# Altium PCB WX0.010.826PCB-4.2.PcbDoc (part 1 of 2) (continued)
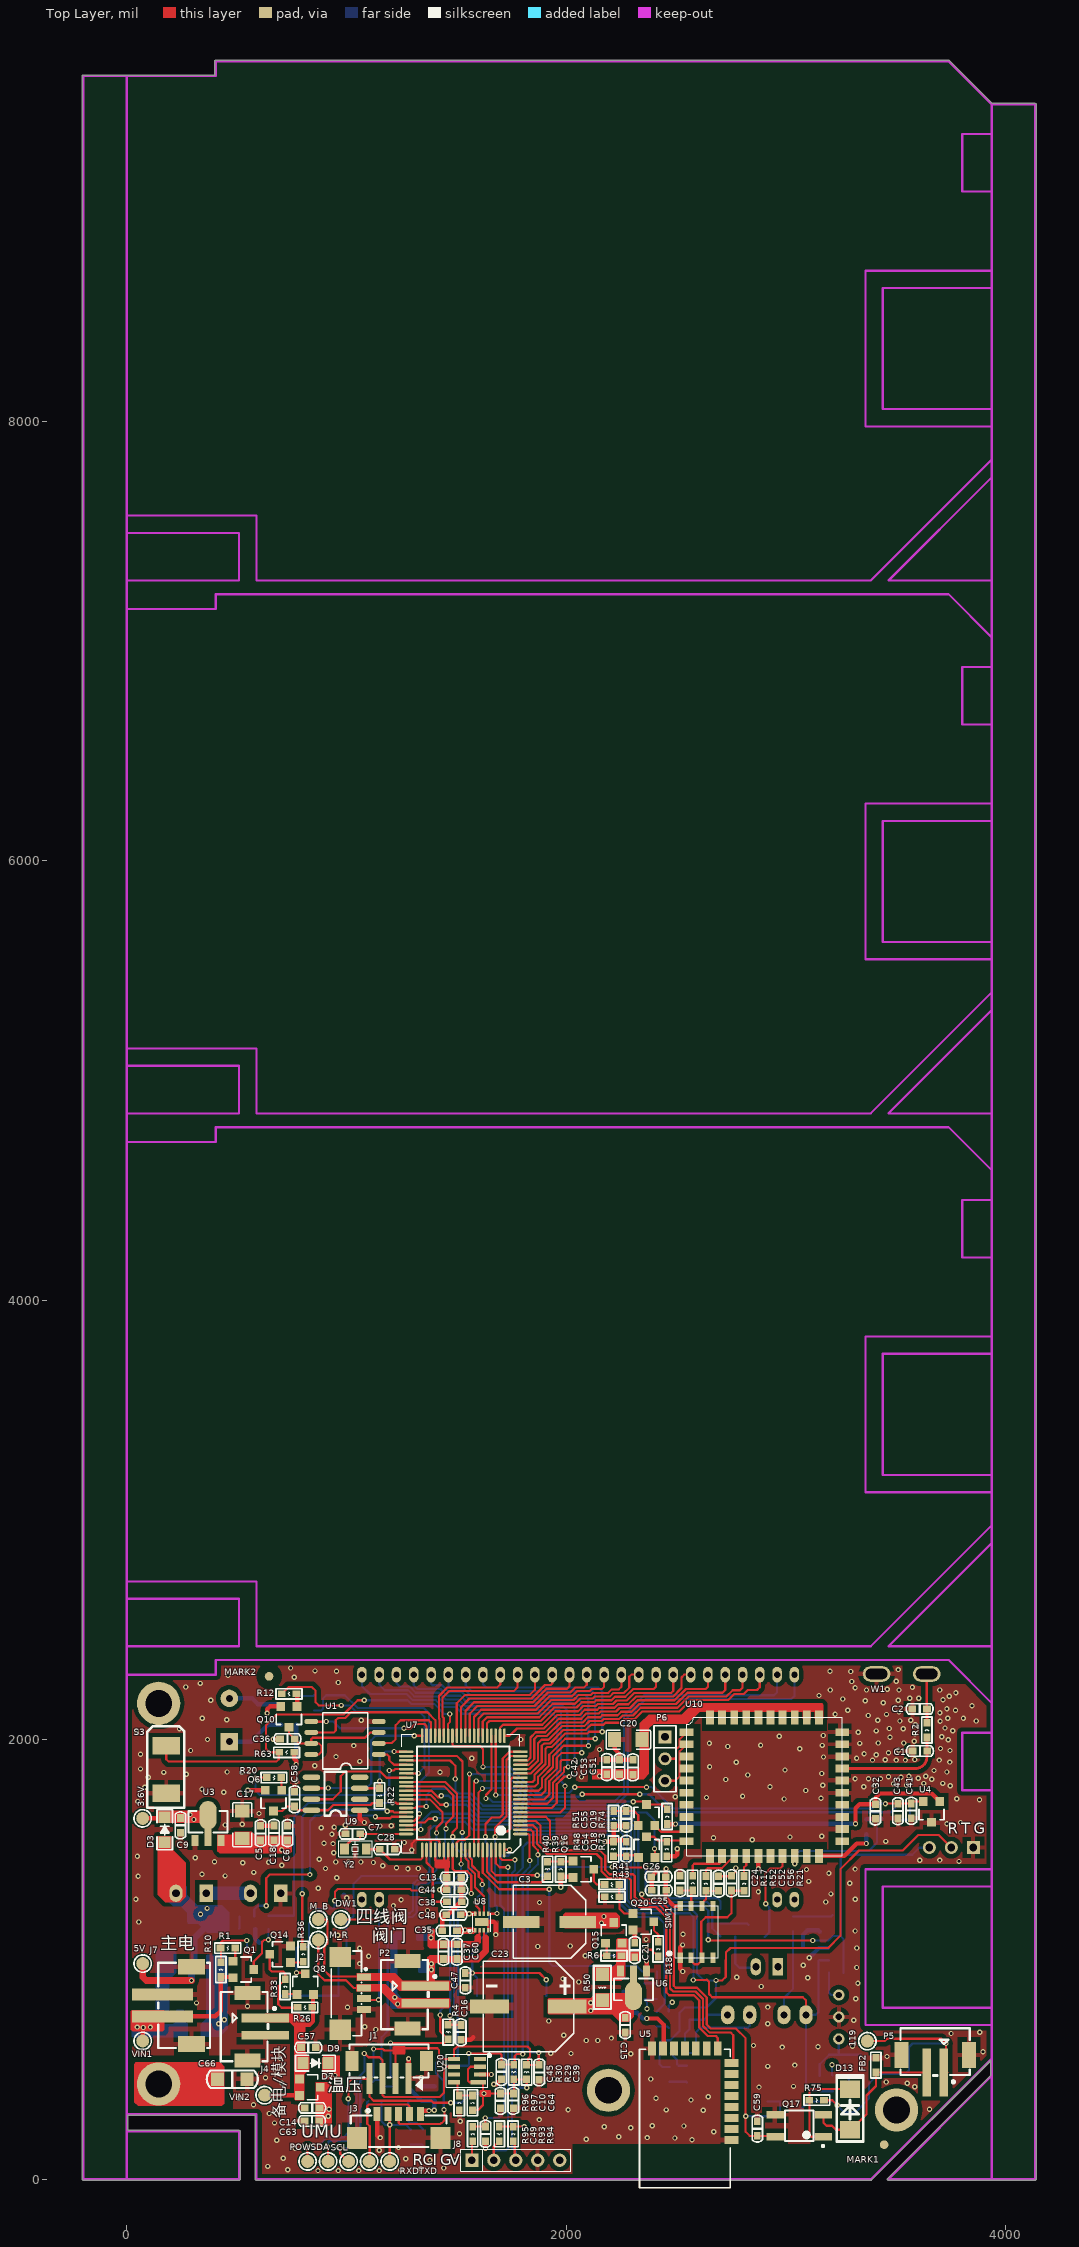
[diagram p0: Top Layer view]
## Components (designator, comment, footprint, x,y, rotation, side; value= is the part's Value field where it differs from the comment) (continued)
SDA "TEST-PAD" TEST-PAD 916.78,80.63 r180 top
SIM1 "SIM  IC" SIMIC 2692.43,1243.22 r180 top
TVS1 "SMBJ6.0CA" DO-214AA 1300.98,1134.02 r270 bottom
TVS2 "SMAJ5.0CA" SMAJ5.0CA 3238.74,306 r180 bottom
TXD "TEST-PAD" TEST-PAD 1197,80.63 r0 top
U1 "P25Q80H-SUH-IR" SOP-8L-200MIL 1147.09,1933 r180 top
U2 "CE6232A50P" SOT-89 233,1152.74 r0 bottom
U3 "CE6232A33P" SOT-89 370,1577.26 r0 top
U4 "S-5712ACDL1" SOT-23 3663,1671 r180 top
U5 "DB809" DB809 2753,528 r180 top
U6 "CE6232A33P" SOT-89 2307,912.74 r180 top
U7 "FM33LG0x8" LQFP80 1531.9,1757.84 r180 top locked
U8 "DRV8837DSGR" S-PWSON-N8 1616,1170 r90 top
U9 "ESAM" SOP-8 1061,1679 r180 top
U10 "UMN601-M1 TNADH" N700-FIXTURE_DL_CFT_CQA 2548.24,2101.18 r270 top locked
U11 "IRM-3638J7" IRM-3638J7 3241,738 r180 bottom locked
U20 "HP303B" LGA_8 1641.14,420.72 r180 top
VIN1 "TEST-PAD" TEST-PAD 73,629 r270 top
VIN2 "TEST-PAD" TEST-PAD 628,382 r270 top
W1 "天线" ANT-tanpian 3641,2299 r180 top
Y2 "SF32WK32768D71T005" SMD-3215_2P 1090,1503 r180 top

## Footprints (in the part's own frame and the unit in brackets; to place one, negate y for a bottom-side part, rotate by r counter-clockwise, add the part's x,y. Pads: shape width x height; smd on the part's side, far side on the other; paste and mask are expansions set on the pad)
2*2.5立贴 [mm]
  rect 1.4x7 smd paste+0 mask+0.051: 1(-1.27,1.675) 2(1.27,1.675)
  rect 1.8x3.1 smd paste+0 mask+0.051: 3(4.47,-1.675) 4(-4.47,-1.675)
  silkscreen extent -4.92,-3.83 4.92,2.17
220uf [mm]
  rect 4.2x1.4 smd: 1(-3.267,0) 2(3.267,0)
  silkscreen extent -4.2,-4.23 4.2,4.23
ANT-tanpian [mm]
  oval 3.2x1.8 hole 1.2 slot 2.5 at 0 deg: 1(0,0) 2(5.8,0)
"Bar Code1" [mil]
  silkscreen extent 0,0 965,256
CAP0603 [mil]
  rect 35x31 smd: 1(-0.49,0) 2(66.51,0)
  silkscreen extent -29,-24 94,23, body extent 1,-15 72,15, height 20
CAP1206 [mil]
  rect 60x60 smd: 1(0,0) 2(134.8,0)
  silkscreen extent -48,-40 184,40, body extent -15,-29 163,29, height 20
CAPPC_350_800_1200 [mil]
  oval 60x78.74 hole 35.43: 1(-3.78,-395)
  rect 60x78.74 hole 35.43: 2(-141.57,-395)
  silkscreen extent -240,-360 95,152
CAPSM_450_1000_1050 [mm] "10*10.5mm"
  rect 1.65x4.5 smd: 1(0,4.5) 2(0,-4.5)
  silkscreen extent -5.23,-5.23 5.23,5.23
CONN-SMD_2.0-2PLT [mm]
  rect 1x5.5 smd: 1(1,-1.025) 2(-1,-1.025)
  rect 1.6x3 smd: 3(3.9,1.025) 4(-3.9,1.025)
  silkscreen extent -4,-2.25 4,4.1
CONN-SMD_4P-P1.5_HCTL_HC-ZH-4PLT [mm]
  rect 0.7x3.6 smd paste+0 mask+0.05: 1(-2.25,1.025) 2(-0.75,1.025) 3(0.75,1.025) 4(2.25,1.025)
  rect 1.5x2.3 smd paste+0 mask+0.05: 5(4.3,-1.025) 6(-4.3,-1.025)
  silkscreen extent -4.57,-2.92 4.57,2.4
CONN-SMD_4P-P1.25_HCTL_HC-1.25-4PLT [mm]
  rect 0.8x1.62 smd paste+0 mask+0.05: 1(-1.875,1.38) 2(-0.625,1.38) 3(0.625,1.38) 4(1.875,1.38)
  rect 2.35x2.5 smd paste+0 mask+0.05: 5(-4.2,-1.38) 6(4.2,-1.38)
  silkscreen extent -4.9,-2.4 4.9,1.73
CONN-SMD_5P-P1.25_HCTL_HC-1.25-5PLT [mm]
  rect 0.8x1.62 smd paste+0 mask+0.05: 1(-2.5,1.38) 2(-1.25,1.38) 3(0,1.38) 4(1.25,1.38) 5(2.5,1.38)
  rect 2.35x2.5 smd paste+0 mask+0.05: 6(4.825,-1.38) 7(-4.825,-1.38)
  silkscreen extent -5.53,-2.42 5.53,1.96
DB809 [mm]
  rect 1.6x0.9 smd: 1(0,8.89) 2(0,7.62) 3(0,6.35) 4(0,5.08) 5(0,3.81) 6(0,2.54) 7(0,1.27) 8(0,0)
  rect 0.9x1.6 smd: 9(1.59,-1.7) 10(2.86,-1.7) 11(4.13,-1.7) 12(5.4,-1.7) 13(6.67,-1.7) 14(7.94,-1.7) 15(9.21,-1.7)
  silkscreen extent 0.15,-1.6 10.65,14.4
DO-214AA [mil]
  rect 80x125 smd: 1(5,0) 2(180,0)
  silkscreen extent -45,-80 230,80, body extent -13,-77 203,77, height 96
DO-214AC [mil]
  rect 80x90.55 smd: 1(-92.5,0) 2(92.5,0)
  silkscreen extent -146,-60 156,60, body extent -91,-53 90,53, height 94
EL357D [mil]
  rect 80x35 smd: 1(-110,50) 2(-110,-50) 3(110,-50) 4(110,50)
  silkscreen extent -113,-70 65,97, body extent -70,-75 70,75, height 79
GRM31CR60J107ME39L [mm]
  rect 1.485x1.728 smd: 1(0,0) 2(3.185,0)
  silkscreen extent -0.97,-1.09 4.16,1.09
HYT-0903 [mil]
  rect 80x80 hole 32: 1(-98.43,0)
  round 80 hole 32: 2(98.43,0)
  silkscreen extent -177,-177 177,177, body extent -176,-176 178,178, height 217
IND0603 [mil]
  rect 35x31 smd: 1(0,0) 2(67,0)
  silkscreen extent -26,-24 92,23, body extent 0,-15 71,15, height 12
IR_254_1000_500 [mil]
  oval 60x86.61 hole 32: 1(50,0) 2(-50,0)
  silkscreen extent -103,-118 118,118
IRM-3638J7 [mm]
  round 1.3 hole 0.75: 1(0,2.54) 2(0,0) 3(0,-2.54)
  silkscreen extent -1.35,-3.43 8.31,3.43
JR-H26263ARP [mm]
  oval 1.1x1.8 hole 0.732: 1(25,13) 1(25,13) 2(23,13) 3(21,13) 4(19,13) 5(17,13) 6(15,13) 7(13,13) 8(11,13) 9(9,13) 10(7,13) 11(5,13) 12(3,13) 13(1,13) 14(-1,13) 15(-3,13) 16(-5,13) 17(-7,13) 18(-9,13) 19(-11,13) 20(-13,13) 21(-15,13) 22(-17,13) 23(-19,13) 24(-21,13) 25(-23,13) 26(-25,13) 27(-25,-13) 28(-23,-13) 29(23,-13) 30(25,-13)
  silkscreen extent -30.5,-13 31.5,13, body extent -30.49,-13 30.47,12.87, height 2.5
LED2_300 [mm]
  rect 2x1.2 hole 0.813: 1(0,1.27)
  oval 2x1.2 hole 0.813: 2(0,-1.27)
  silkscreen extent -2.16,-1.26 2.16,2.18, body extent -1.65,-1.64 1.65,1.66, height 5.51
LGA_8 [mm]
  rect 1.8x0.5 smd: 1(1.039,-0.504)
  rect 1.4x0.5 smd: 2(0.839,-1.404) 3(0.839,-2.304) 4(0.839,-3.204) 5(3.839,-3.204) 6(3.839,-2.304) 7(3.839,-1.404) 8(3.839,-0.504)
  silkscreen extent -0.4,-3.78 4.72,0.05
LQFP80 [mm]
  oval 1.7x0.3 smd: 1(-6.6,4.75) 2(-6.6,4.25) 3(-6.6,3.75) 4(-6.6,3.25) 5(-6.6,2.75) 6(-6.6,2.25) 7(-6.6,1.75) 8(-6.6,1.25) 9(-6.6,0.75) 10(-6.6,0.25) 11(-6.6,-0.25) 12(-6.6,-0.75) 13(-6.6,-1.25) 14(-6.6,-1.75) 15(-6.6,-2.25) 16(-6.6,-2.75) 17(-6.6,-3.25) 18(-6.6,-3.75) 19(-6.6,-4.25) 20(-6.6,-4.75) 41(6.6,-4.75) 42(6.6,-4.25) 43(6.6,-3.75) 44(6.6,-3.25) 45(6.6,-2.75) 46(6.6,-2.25) 47(6.6,-1.75) 48(6.6,-1.25) 49(6.6,-0.75) 50(6.6,-0.25) 51(6.6,0.25) 52(6.6,0.75) 53(6.6,1.25) 54(6.6,1.75) 55(6.6,2.25) 56(6.6,2.75) 57(6.6,3.25) 58(6.6,3.75) 59(6.6,4.25) 60(6.6,4.75)
  oval 0.3x1.7 smd: 21(-4.75,-6.6) 22(-4.25,-6.6) 23(-3.75,-6.6) 24(-3.25,-6.6) 25(-2.75,-6.6) 26(-2.25,-6.6) 27(-1.75,-6.6) 28(-1.25,-6.6) 29(-0.75,-6.6) 30(-0.25,-6.6) 31(0.25,-6.6) 32(0.75,-6.6) 33(1.25,-6.6) 34(1.75,-6.6) 35(2.25,-6.6) 36(2.75,-6.6) 37(3.25,-6.6) 38(3.75,-6.6) 39(4.25,-6.6) 40(4.75,-6.6) 61(4.75,6.6) 62(4.25,6.6) 63(3.75,6.6) 64(3.25,6.6) 65(2.75,6.6) 66(2.25,6.6) 67(1.75,6.6) 68(1.25,6.6) 69(0.75,6.6) 70(0.25,6.6) 71(-0.25,6.6) 72(-0.75,6.6) 73(-1.25,6.6) 74(-1.75,6.6) 75(-2.25,6.6) 76(-2.75,6.6) 77(-3.25,6.6) 78(-3.75,6.6) 79(-4.25,6.6) 80(-4.75,6.6)
  silkscreen extent -6.62,-6.81 7.1,6.91, body extent -5.33,-5.33 5.36,5.33, height 2
MARK [mm]
  round 1 smd: 0(0,0)
  round 1 smd far side: 1(0,0)
  Top Layer pour cut-out: -1.5,0 -1.386,-0.574 -1.061,-1.061 -0.574,-1.386 0,-1.5 0,-1.5 0.574,-1.386 1.061,-1.061 1.386,-0.574 1.5,0 1.5,0 1.386,0.574 1.061,1.061 0.574,1.386 0,1.5 0,1.5 -0.574,1.386 -1.061,1.061 -1.386,0.574 -1.5,0
  Bottom Layer pour cut-out: -1.5,0 -1.386,-0.574 -1.061,-1.061 -0.574,-1.386 0,-1.5 0,-1.5 0.574,-1.386 1.061,-1.061 1.386,-0.574 1.5,0 1.5,0 1.386,0.574 1.061,1.061 0.574,1.386 0,1.5 0,1.5 -0.574,1.386 -1.061,1.061 -1.386,0.574 -1.5,0
N700-FIXTURE_DL_CFT_CQA [mm]
  rect 0.9x1.6 smd mask+0.05: 1(1.7,0) 2(3.1,0) 3(4.5,0) 4(5.9,0) 5(7.3,0) 6(8.7,0) 7(10.1,0) 8(11.5,0) 9(12.9,0) 10(14.3,0) 21(14.3,18) 22(12.9,18) 23(11.5,18) 24(10.1,18) 25(8.7,18) 26(7.3,18) 27(5.9,18) 28(4.5,18) 29(3.1,18) 30(1.7,18)
  rect 1.6x0.9 smd mask+0.05: 11(16,2.7) 12(16,4.1) 13(16,5.5) 14(16,6.9) 15(16,8.3) 16(16,9.7) 17(16,11.1) 18(16,12.5) 19(16,13.9) 20(16,15.3) 31(0,15.3) 32(0,13.9) 33(0,12.5) 34(0,11.1) 35(0,9.7) 36(0,8.3) 37(0,6.9) 38(0,5.5) 39(0,4.1) 40(0,2.7)
  silkscreen extent 0,0 16,18
PIN254_1*3*WXHJ [mm]
  rect 1.5x1.5 hole 0.9: 1(0,0)
  round 1.5 hole 0.9: 2(2.54,0) 3(5.08,0)
  silkscreen extent -1.27,-1.27 6.35,1.27
PIN254_1*5SR [mil]
  rect 60x60 hole 35: 1(0,0)
  round 60 hole 35: 2(100,0) 3(200,0) 4(300,0) 5(400,0)
  silkscreen extent -50,-50 450,50
RES0603 [mil]
  rect 35x31 smd: 1(0,0) 2(67,0)
  silkscreen extent -26,-24 92,23, body extent 0,-15 71,15, height 12
RES1206 [mil]
  rect 60x60 smd: 1(0,0) 2(118.11,0)
  silkscreen extent -39,-39 157,39, body extent -28,-29 150,29, height 20
S-PWSON-N8 [mm]
  rect 0.5x0.28 smd: 1(-0.95,0.75) 2(-0.95,0.25) 3(-0.95,-0.25) 4(-0.95,-0.75) 5(0.95,-0.75) 6(0.95,-0.25) 7(0.95,0.25) 8(0.95,0.75)
  rect 0.9x1.6 smd: 9(0,0)
  silkscreen extent -1.09,-1.05 1.04,1.52, body extent -0.98,-1 1.02,1, height 0.77
SIMIC [mm]
  rect 0.6x1.2 smd: 1(4.405,6) 2(3.135,6) 3(1.865,6) 4(0.595,6) 5(0.595,0) 6(1.865,0) 7(3.135,0) 8(4.405,0)
  silkscreen extent 0,0 5.73,6, body extent 0,0 4.95,5.97, height 0.6
SMAJ5.0CA [mm]
  rect 2x1.8 smd: 1(-2,0) 2(2,0)
  silkscreen extent -2.3,-1.4 2.3,1.4
SMD-3215_2P [mm]
  rect 1x1.3 smd: 1(0,0) 2(2.5,0)
  silkscreen extent -0.69,-0.91 3.19,0.91, body extent -0.3,-0.99 2.9,0.99, height 0.7
SOD-123FL [mm]
  rect 1.3x1.4 smd: 1(0.074,0) 2(2.974,0)
  silkscreen extent -0.78,-0.9 3.82,0.9, body extent -0.28,-0.82 3.32,0.83, height 0.95
SOP-8 [mil]
  oval 80x24 smd: 1(0,0) 2(0,-50) 3(0,-100) 4(0,-150) 5(220,-150) 6(220,-100) 7(220,-50) 8(220,0)
  silkscreen extent 60,-175 160,25, body extent -7,-171 229,21, height 67
SOP-8L-200MIL [mm]
  oval 1.6x0.61 smd: 1(0,0) 2(0,-1.27) 3(0,-2.54) 4(0,-3.81) 5(7.8,-3.81) 6(7.8,-2.54) 7(7.8,-1.27) 8(7.8,0)
  silkscreen extent 1.27,-4.83 6.48,1.68, body extent 0.89,-4.35 6.89,0.55, height 1.7
SOT-23 [mil]
  rect 40x40 smd: 1(-37.4,-47.24) 2(37.4,-47.24) 3(0,47.24)
  silkscreen extent -57,-12 57,35, body extent -57,-55 57,55, height 47
SOT-89 [mm]
  rect 0.8x1.27 smd: 1(-1.5,-0.9) 3(1.5,-0.9)
  rect 0.8x2.54 smd: 2(0,-0.265)
  oval 2x3.3 smd: 2(0,2)
  silkscreen extent -2.25,0 2.25,2.5, body extent -2.25,-1.02 2.25,2.92, height 1.4
SWS_2_520_300 [mm]
  rect 2x3.2 smd: 1(0,0) 2(-5.5,0)
  silkscreen extent -7.2,-2.08 2.25,2.2
SWS_4_600_600 [mm]
  rect 2x1.2 smd: 1(-4,2.2) 1(4,2.2) 2(-4,-2.2) 2(4,-2.2)
  silkscreen extent -3,-3 3,3, body extent -3.18,-3.18 3.18,3.18, height 4.5
TEST-PAD [mm]
  round 1.5 smd: 1(0,0)
  silkscreen extent -1,-1 1,1

## Part data
3.6V 5V 119 DW1 M_B M_R POW RXD SCL SDA TXD VIN1 VIN2: library part AD_WXHJ_TEST-PAD_01, "单面焊盘测试点", Part Name=测试点, ID=23, Part Number=AD_WXHJ_TEST-PAD_01, SMD/DIP=SMD
*: library part "AD_WXHJ_Bar Code_02", "条形码 ,填充，无需焊接器件", Part Name=条形码, ID=17, Part Number="AD_WXHJ_Bar Code_02", SMD/DIP=SMD
B1: library part 1010602-0007, "直插,直径9mm,高5.5mm,5 V,2 V,30 mA,兴化市华宇电子有限公司,HYT-0903", Part Name=有源蜂鸣器, ID=28, Part Number=1010602-0007, SMD/DIP=DIP
C1 C2: library part 101020103-0005, Part Name=0603贴片电容, ID=11, SMD/DIP=SMD
C3: library part 1010203-0029, "220UF", Part Name=电解电容, Part Number=1010203-0026, ID=2, SMD/DIP=DIP
C4 C5 C8 C10 C13 C14 C15 C21 C25 C27 C31 C35 C36 C37 C38 C44 C46 C47 C48 C51 C58 C64 C65: library part 101020103-0021, "104pF,50 V,±10%,0603,国巨,CC0603KRX7R9BB104", Part Name=0603贴片电容, ID=3, Part Number=101020103-0021, SMD/DIP=SMD
C6 C9 C22 C30: library part 101020103-0026, "106pF,10 V,±10%,0603,村田,GRM188R61A106KE47D", Part Name=0603贴片电容, ID=8, Part Number=101020103-0026, SMD/DIP=SMD
C7 C28: library part 101020103-0005, "12P,50 V,±5%,0603,国巨,CC0603JRNPO9BN12", Part Name=0603贴片电容, ID=11, Part Number=101020103-0005, SMD/DIP=SMD
C11 C34 C40 C42: library part 101020103-0014, "10pF,50 V,±5%,0603,X7R,国巨,CC0603JRNPO9BN100", Part Name=0603贴片电容, ID=7, Part Number=101020103-0014, SMD/DIP=SMD
C12 C50: library part 1010203-0029, "1000uF,16 V,±20%,8*20mm,Rubycon,16ZLH1000M", Part Name=电解电容, ID=2, Part Number=1010203-0029, SMD/DIP=DIP
C16 C24 C26 C29 C39 C43 C45 C49 C52 C53 C56 C57 C60 C61 C63: library part 101020103-0027, "33pF,50 V,±10%,0603,国巨,CC0603KRNPO9BN33", Part Name=0603贴片电容, Part Number=101020103-0027, SMD/DIP=SMD
  C16 C53 C61: ID=18
  C24 C26 C29 C39 C43 C45 C49 C52 C56 C57 C60 C63: ID=17
C17: library part 101020101-0005, "100u,16 V,±10%,1206,国巨,CC1206KRNPO7BN106P", Part Name=1206贴片电容, ID=9, SMD/DIP=SMD
C18: library part 101020103-0009, "22pF,50 V,±5%,0603,国巨,CC0603JRNPO9BN22", Part Name=0603贴片电容, ID=16, Part Number=101020103-0009, SMD/DIP=SMD
C19: library part 101020103-0010, "101pf,50 V,±5%,0603,国巨,CC0603JRNP09BN101", Part Name=0603贴片电容, ID=4, Part Number=101020103-0010, SMD/DIP=SMD
C20: library part 101020101-0005, Part Name=1206贴片电容, ID=9, SMD/DIP=SMD
C23: library part 1010203-0029, "1000UF,16V,±20%,贴片10*10.2MM,深圳市三炎科电子科技有限公司,16V1000UF", Part Name=电解电容, Part Number=1010203-0026, ID=2, SMD/DIP=DIP
C32 C33 C62: library part 101020103-0003, "105pF,16 V,±10%,0603,国巨,CC0603KRX7R7BB105", Part Name=0603贴片电容, ID=14, Part Number=101020103-0003, SMD/DIP=SMD
C41 C54 C55: library part 101020103-0022, "102pF,50 V,±10%,0603,国巨,CC0603KRX7R9BB102", Part Name=0603贴片电容, ID=13, Part Number=101020103-0022, SMD/DIP=SMD
C59: library part 101020103-0007, "10nF,50 V,±10%,0603,X7R,国巨,CC0603KRX7R9BB103", Part Name=0603贴片电容, ID=6, Part Number=101020103-0007, SMD/DIP=SMD
C66: library part 101020103-0021, "103P/1KV,±10％,1206", Part Name=1206贴片电容, Part Number=101020101-0003, ID=3, SMD/DIP=SMD
D1: library part 101040102-0001, "圆形插件,3mm 圆形,插件,红光,湖北匡通电子有限公司,3BB4HC", Part Name=发光二极管, ID=6, Part Number=101040102-0001, SMD/DIP=DIP
D2: library part 101040101-0048, "DS36W,SOD123-FL,3 A,42 V,60 V,浙江领晨科技有限公司,DS36W", Part Name=贴片肖特基, Part Number=101040101-0055, ID=8, SMD/DIP=SMD
D3: library part 101040101-0048, "DS12W,SOD-123FL,1 A,0.55 V,20 V,领晨科技,DS12W", Part Name=贴片肖特基, ID=9, Part Number=101040101-0048, SMD/DIP=SMD
D4 D9: library part 101040101-0055, "DS36W,SOD123-FL,3 A,42 V,60 V,浙江领晨科技有限公司,DS36W", Part Name=贴片肖特基, ID=40, Part Number=101040101-0055, SMD/DIP=SMD
D5: library part 101040101-0034, "直插,Φ5.8mm圆头透明色，,0.1 A,4 V,5 V,上海品观电子有限公司,AT205B", Part Name=红外发射管, ID=2, Part Number=101040101-0034, SMD/DIP=DIP
D6: library part 101040101-0035, "Φ5.8mm圆头黑色，光电接收管,Φ5.8mm,0.01 A,1.2 V,60 V,上海品观电子,AT405-PD-01", Part Name=光敏二极管, ID=4, Part Number=101040101-0035, SMD/DIP=DIP
D7 D10: library part 101040101-0038, "BAT54CLT1，SOT23-3,SOT23-3,0.2 A,0.8 V,30 V,安森美,BAT54CLT1", Part Name=贴片肖特基, ID=31, Part Number=101040101-0038, SMD/DIP=SMD
D8: library part 101040101-0009, "SS12,DO-214AC,1 A,0.55 V,20 V,昶鑫,SS12", Part Name=贴片肖特基, ID=13, Part Number=101040101-0009, SMD/DIP=SMD
D13: library part 101040101-0008, "M7A,DO-214AC,1 A,1.1 V,1000 V,杭州闽达电子有限公司,M7A", Part Name=贴片肖特基, ID=12, Part Number=101040101-0008, SMD/DIP=SMD
FB1 FB2: library part 109010101-0003, "chilisin(奇力新),0603,30Ω ±25% @100MHz,150 V,125 ℃,PBY160808T-300Y-N,-55 ℃,不含铅,,,圆盘,30Ω ±25% @100MHz", Part Name=磁珠, ID=25, Part Number=109010101-0003, SMD/DIP=SMD
J1 J2: library part 1010902-0126, "4针1.5mm间距，贴片卧式,9.0mm*6.5mm,公头,单排,4针1.5mm间距，贴片卧式", Part Name=贴片弯座, ID=36, Part Number=1010902-0126, SMD/DIP=SMD
J3: library part 1010902-0122, "1.25-5AWR 卷,5针1.25mm,母头,单排,贴片卧式", Part Name=贴片弯座, ID=37, Part Number=1010902-0122, SMD/DIP=SMD
J4 J7 P2 P5: library part 1010902-0125, "PH2.0_2AWR 卧,贴片卧式,母头,单排,2针2.0mm", Part Name=PH座, ID=24, Part Number=1010902-0125, SMD/DIP=SMD
J8: "Header, 5-Pin"
J9 P6: library part AD_WXHJ_PinHeader_04, "1*3 ，Φ1.0 ，2.54mm，直脚,无需焊接器件", Part Name=排针, Part Number=AD_WXHJ_PinHeader_04, SMD/DIP=DIP
  J9: ID=17
  P6: ID=27
MARK1 MARK2: library part AD_WXHJ_MARK_01, "MARK点", ID=8, Part Name=MARK点, Part Number=AD_WXHJ_MARK_01, SMD/DIP=SMD
Q1 Q4 Q6 Q8 Q9 Q10 Q13 Q16 Q22: library part 101040201-0001, "9012,PNP,SOT-23,JCET;长电,S9012", Part Name=贴片三极管, Part Number=101040201-0001, SMD/DIP=SMD
  Q1 Q4 Q6 Q8 Q9 Q10: ID=16
  Q13 Q16 Q22: ID=17
Q2 Q3 Q7 Q11 Q12 Q14 Q18 Q19 Q20: library part 101040201-0002, "9013,NPN,SOT-23,长电,S9013", Part Name=贴片三极管, Part Number=101040201-0002, SMD/DIP=SMD
  Q2 Q3 Q7 Q11 Q12 Q14 Q18 Q19: ID=14
  Q20: ID=15
Q5 Q15: library part 101040201-0013, "UT3401ZG,P-MOS,SOT-23,UTC,UT3401ZG", Part Name=功率MOS管, ID=18, Part Number=101040201-0013, SMD/DIP=SMD
Q17: library part 1010502-0045, "SOP4,贴片,ELERLIGHT,EL357N(D)(TA)-G", Part Name=贴片光耦, ID=1, Part Number=1010502-0045, SMD/DIP=SMD
R1 R10 R20 R25 R26 R28 R33 R46: library part 101010103-0003, "国巨,±5%,0603,,155 ℃,-55 ℃,RC0603JR-0710KL,无铅,200 ppm/℃,1/10W,,10K", Part Name=0603贴片电阻, ID=7, Part Number=101010103-0003, SMD/DIP=SMD
R2 R32: library part 101010103-0001, "国巨,±5%,0603,,155 ℃,-55 ℃,RC0603J2-070RL,无铅,200 ppm/℃,1/10W,,0R", Part Name=0603贴片电阻, ID=1, Part Number=101010103-0001, SMD/DIP=SMD
R3 R11 R12 R14 R34 R36 R38 R40 R45 R75: library part 101010103-0006, "国巨,±5%,0603,,155 ℃,-55 ℃,RC0603JR-073KL,无铅,100 ppm/℃,1/10W,,3K", Part Name=0603贴片电阻, Part Number=101010103-0006, SMD/DIP=SMD
  R3 R11 R12 R34 R38 R40 R45: ID=22
  R14 R36 R75: ID=23
R4 R37 R58 R60 R62: library part 101010103-0008, "1K,±5%,1/10W,0603,国巨,RC0603JR-071KL", Part Name=0603贴片电阻, Part Number=101010103-0008, SMD/DIP=SMD
  R4 R58 R60 R62: ID=10
  R37: ID=9
R5 R43: library part 101010103-0012, "47K,±5%,1/10W,0603,国巨,RC0603JR-0747KL", Part Name=0603贴片电阻, ID=25, Part Number=101010103-0012, SMD/DIP=SMD
R6 R7: library part 101010103-0025, "国巨,±5%,0603,,155 ℃,-55 ℃,RC0603JR-072ML,含铅,100 ppm/℃,1/10W,,2M", Part Name=0603贴片电阻, ID=20, Part Number=101010103-0025, SMD/DIP=SMD
R8 R18: library part 101010103-0034, "200K,±5%,1/10W,0603,国巨,RC0603JR-07200KL", Part Name=0603贴片电阻, ID=13, Part Number=101010103-0034, SMD/DIP=SMD
R9 R24: library part 101010103-0066, "330K,±5%,1/10W,0603,国巨,RC0603JR-07330KL", Part Name=0603贴片电阻, ID=30, Part Number=101010103-0066, SMD/DIP=SMD
R13 R35: library part 101010103-0044, "220K,±5%,1/10W,0603,国巨,RC0603JR-07220KL", Part Name=0603贴片电阻, ID=31, Part Number=101010103-0044, SMD/DIP=SMD
R15 R95: library part 101010103-0022, "100R,±5%,1/10W,0603,国巨,RC0603JR-07100RL", Part Name=0603贴片电阻, ID=5, Part Number=101010103-0022, SMD/DIP=SMD
R16 R19 R22 R23 R39 R41: library part 101010103-0004, "国巨,±5%,0603,,155 ℃,-55 ℃,RC0603JR-0720KL,无铅,200 ppm/℃,1/10W,,20K", Part Name=0603贴片电阻, ID=15, Part Number=101010103-0004, SMD/DIP=SMD
R17 R21 R52: library part 101010103-0009, "国巨,±5%,0603,,155 ℃,-55 ℃,RC0603JR-0722RL,无铅,200 ppm/℃,1/10W,,22欧", Part Name=0603贴片电阻, ID=18, Part Number=101010103-0009, SMD/DIP=SMD
R27 R31: library part 101010103-0037, "国巨,±5%,0603,,155 ℃,-55 ℃,RC0603JR-0751RL,无铅,100 ppm/℃,1/10W,,51欧", Part Name=0603贴片电阻, Part Number=101010103-0037, SMD/DIP=SMD
  R27: ID=28
  R31: ID=29
R29 R30: library part 101010103-0015, "国巨,±5%,0603,,155 ℃,55 ℃,RC0603JR-075.1KL,无铅,200 ppm/℃,1/10W,,5.1k", Part Name=0603贴片电阻, ID=26, Part Number=101010103-0015, SMD/DIP=SMD
R42 R50: library part 101010101-0013, "0Ω,±5%,1/4W,1206,国巨,RC1206JR-070RL", Part Name=1206贴片电阻, ID=2, Part Number=101010101-0013, SMD/DIP=SMD
R48 R51 R73 R74: library part 101010103-0042, "4.7K±5%,1/10W,0603", Part Name=0603贴片电阻, ID=24, Part Number=101010103-0042, SMD/DIP=SMD
R59 R61 R93 R94: library part 101010103-0052, "10K±1%,1/10W,0603", Part Name=0603贴片电阻, ID=6, Part Number=101010103-0052, SMD/DIP=SMD
R63 R96 R97: library part 101010103-0002, "国巨,±5%,0603,,155 ℃,-55 ℃,RC0603JR-071ML,无铅,200 ppm/℃,1/10W,,1M", Part Name=0603贴片电阻, ID=11, Part Number=101010103-0002, SMD/DIP=SMD
S1 S2: library part 1011001-0062, "TS-1010GS-AR043,点触,6*6*4.3mm,贴片,东莞市讯普电子科技有限公司", Part Name=按键, ID=30, Part Number=1011001-0062, SMD/DIP=SMD
S3: library part 1011001-0041, "CSX-SEN-645B,垂直45°开关转换,3*5.2mm,360°任意方位倾斜检测,深圳市成晟科技有限公司", Part Name=倾斜开关, Part Number=1011001-0051, ID=33, SMD/DIP=SMD
SIM1: library part SIMCARD_1
TVS1: library part 101040101-0024, "SMBJ6.0CA,DO-214AA,10.3 V,6.0 V,600 W,58.3 A,800 uA,上海君耀电子有限公司,SMBJ6.0CA", Part Name=TVS管, ID=23, Part Number=101040101-0024, SMD/DIP=SMD
TVS2: library part SMAJ5.0CA_C693487, BOM_JLCPCB Part Class="Extended Part", BOM_Manufacturer=FTR, BOM_Manufacturer Part=SMAJ5.0CA, BOM_Supplier=LCSC, BOM_Supplier Part=C693487, Contributor=LCSC, spicePre=D, spiceSymbolName=SMAJ5.0CA_C693487
U1: library part 101050101-0218, "P25Q80H-SUH-IR,SOP8208mil,普冉半导体（上海）股份有限公司,P25Q80H-SUH-IR", Part Name=贴片存储芯片FLASH, ID=35, Part Number=101050101-0218, SMD/DIP=SMD
U2: library part 1010503-0028, "CE6232A50P,CE6232A50P,SOT89-3,8 V,1.8 V,0.11 V,5 V,500mA,0.8 uA,南京芯力微电子有限公司", Part Name=贴片稳压器, ID=6, Part Number=1010503-0028, SMD/DIP=SMD
U3 U6: library part 1010503-0029, "CE6232-3.3,CE6232-3.3,SOT89-3,8V,1.8V,0.11V,3.3V,300mA,0.8uA,南京芯力微电子有限公司", Part Name=线性稳压芯片, ID=5, Part Number=1010503-0029, SMD/DIP=SMD
U4: library part 1010504-0002, "S-5712ACDL1,SOT23-3,3.5 V,1.6 V,2 uA,精工电子,S-5712ACDL1", Part Name=霍尔元件, ID=2, Part Number=1010504-0002, SMD/DIP=SMD
U5: library part 1011402-0194, "北高智蓝牙模块DB809", Part Name=蓝牙模块, ID=15, Part Number=1011402-0194, SMD/DIP=SMD
U8: library part 101050101-0060, "DRV8837DSGR,S-PWSON-N8,TI,DRV8837DSGR", Part Name=驱动芯片, ID=23, Part Number=101050101-0060, SMD/DIP=SMD
U9: library part AD_XN_ESAM_01, "ESAM虚拟器件", Part Name=ESAMоƬ, ID=11, Part Number=AD_XN_ESAM_01, SMD/DIP=SMD
U10: library part 1011402-0183, "N700-58-01,N700-58-01,通信模块,18.0mm*16.0mm*2.1mm,Band 5:850MHz/Band 8:900MHz,深圳市广和通无线股份有限公司", Part Name=NB-IOT模块, ID=14, Part Number=1011402-0183, PCB DECAL=N700-FIXTURE_DL_CFT_CQA
U11: library part 101040101-0059, "IRM-3638J7  直脚,插件,6 V,6 V,亿光电子工业股份有限公司,IRM-3638J7", Part Name=远红外接收管, ID=46, Part Number=101040101-0059, SMD/DIP=DIP
W1: library part 1010902-0145, "UB06000058A,3*3.1*1.25mm,公头,单排,IPEX一代板端", Part Name=IPEX座, ID=31, Part Number=1010902-0145, SMD/DIP=SMD
Y2: library part 1010601-0020, "SF32WK32768D71T005,3215,32.768kHz,-0.03 ppm/℃,无源,湖北泰晶电子科技股份有限公司,SF32WK32768D71T005", Part Name=贴片晶振, ID=45, Part Number=1010601-0020, SMD/DIP=SMD

## Free pads (board coordinates)
  round 196.85 hole 122.05: 0(145.67,433.07) 0(145.67,2165.35) 0(2192.56,404.33) 0(3503.94,314.96)

## Via types
v1: diameter 24, hole 12, Top Layer to Bottom Layer, tented both sides, 484 vias

## Nets (pads, with @x,y where several pads share a name; then routed paths per layer and width w, separated by ;. In a path a pad name is that pad's centre, name@x,y a point inside that pad or via, vN(x,y) a via of type N, cw(c..) or ccw(c..) an arc to the next point about the centre after c; other vN are vias at no path point)
3.6V: 3.6V.1 C9.1 C14.1 C63.1 D3.2 D7.3 U3.2 | length 102.1
  Top Layer w20: 3.6V.1@73,1642 167.83,1642 D3.2@173,1647.17
  other v1: 918,286 921,318 306,1637 288,1659
5V: 5V.1 C12.1 C35.1 D3.1 D8.1 R42.2 U2.3 U8.1 | length 626.8
  Top Layer w30: 5V.1@73,981 73,920 89,904 v1(295,904) ; C35.1@1503.49,1130 v1@1574,1130
  Bottom Layer w30: v1(295,904) R42.2@295,957 307,969 307,1095 357,1145
  other v1: 1564,1127 1540,1134 336,1206 366,1232
119: C8.1 C59.1 FB1.1 Q17.4 U7.43 | length 3252
  Top Layer w10: U7.43@1273.06,1905.48 1471.52,1905.48 1496,1881 v1(1496,1821) ; v1(2344,1297) 2344,1283 2354,1273 2353.5,1272.5 2423.54,1272.5 2490,1206.04 2490,880 2499,871 2596,871 2640,827 2640,704 2659,685 2773,685 2817,641 v1(2817,286) 2817,216 2836,197 C59.1@2870,197 2939,197 2943,201 Q17.4@2951,193
  Bottom Layer w10: v1(1496,1821) 1496,1770 1511,1755 1566.75,1755 1622.75,1699 1776.75,1699 1823.75,1652 2287,1652 2328,1611 2328,1313 v1(2344,1297) ; v1(2817,286) 2819,288 C8.1@2854,288 2856.14,285.86 FB1.1@2915.88,285.86
BUZZ: R38.1 U7.57 | length 1172
  Top Layer w10: U7.57@1272.06,1629.89 1307.59,1629.89 1317.7,1640 1326,1640 1332.52,1646.52 v1(1332.52,1663.26)
  Bottom Layer w10: R38.1@853,2133 885,2133 894,2142 894,2188 908,2202 993,2202 1051,2144 1352,2144 1376,2120 1376,1849.6 1340.83,1814.43 1340.43,1814.43 1332,1806 1332,1663.77 v1(1332.52,1663.26)
CLOSE: U7.19 U8.5 | length 821.5
  Top Layer w10: U8.5@1645.53,1207.4 1683.4,1207.4 v1(1685.16,1209.16) 1688.84,1209.16 1690.6,1207.4 v1@1684,1207.4 ; v1(1676.69,1558.46) 1676.69,1599.69 1729,1652 1729,1907.17 1747,1925.17 U7.19@1766.74,1925.17
  Bottom Layer w10: v1(1676.69,1558.46) 1676.69,1247.31 1685.16,1238.84 v1(1685.16,1209.16)
COM0: LCD1.1 U7.6 | length 1636
  Top Layer w10: U7.6@1791.74,1669.26 1974.26,1669.26 1994.99,1689.99 v1(1994.99,1788.87)
  Bottom Layer w10: LCD1.1@1070.47,2295.99 1070.47,2244.53 1107,2208 1274,2208 1302,2180 1407.04,2180 1438.04,2149 1497,2149 1528,2118 1940,2118 1960,2098 1960,1828 1994.99,1793.01 v1(1994.99,1788.87)
COM1: LCD1.2 U7.7 | length 1601.7
  Top Layer w10: U7.7@1766.74,1688.94 1933.94,1688.94 1957.58,1712.58 1957.58,1796.71 1992.87,1832 v1(2014.09,1832)
  Bottom Layer w10: LCD1.2@1149.21,2295.99 1149.21,2250.79 1175,2225 1281.04,2225 1309.04,2197 1414.08,2197 1445.08,2166 1504.04,2166 1535.04,2135 1969,2135 1977,2127 1977,1850 1995,1832 v1(2014.09,1832)
COM2: LCD1.3 U7.8 | length 1488
  Top Layer w10: U7.8@1766.74,1708.63 1913.63,1708.63 1940.58,1735.58 1940.58,1803.75 1991,1854.17 1991,1872 1995,1876 v1(2009,1876)
  Bottom Layer w10: LCD1.3@1227.95,2295.99 1227.95,2257.05 1243,2242 1288.08,2242 1316.08,2214 1421.12,2214 1452.12,2183 1511.08,2183 1542.08,2152 1986,2152 2005,2133 2005,1880 v1(2009,1876)
COM3: LCD1.4 U7.9 | length 1470
  Top Layer w10: U7.9@1766.74,1728.31 1901.32,1728.31 1923.58,1750.58 1923.58,1810.79 1974,1861.21 1974,1901 1981,1908 v1(2040,1908)
  Bottom Layer w10: LCD1.4@1306.69,2295.99 1306.69,2248.31 1324,2231 1428.17,2231 1459.17,2200 1518.12,2200 1549.12,2169 2021,2169 2038,2152 2038,1910 v1(2040,1908)
COM4: LCD1.5 U7.10 | length 1441
  Top Layer w10: U7.10@1766.74,1748 1887,1748 1906.58,1767.58 1906.58,1817.84 1957,1868.25 1957,1917.29 1979.71,1940 v1(2071,1940)
  Bottom Layer w10: LCD1.5@1385.43,2295.99 1385.43,2254.57 1392,2248 1435.21,2248 1466.21,2217 1525.17,2217 1556.17,2186 2055,2186 2070,2171 2070,1941 v1(2071,1940) v1@2071,1933
COM5: LCD1.6 U7.11 | length 1415.3
  Top Layer w10: U7.11@1766.74,1767.68 1874.68,1767.68 1889.58,1782.58 1889.58,1824.88 1940,1875.29 1940,1924.33 1987.67,1972 v1(2102,1972)
  Bottom Layer w10: LCD1.6@1464.17,2295.99 1464.17,2246.83 1477,2234 1532.21,2234 1563.21,2203 2088,2203 2101,2190 2101,1966 2102,1965 v1(2102,1972)
COM6: LCD1.7 U7.12 | length 1360.4
  Top Layer w10: U7.12@1766.74,1787.37 1858.37,1787.37 1872.58,1801.58 1872.58,1831.92 1923,1882.34 1923,1931.38 1995.62,2004 v1(2133,2004)
  Bottom Layer w10: LCD1.7@1542.91,2295.99 1542.91,2247.34 1570.25,2220 2119,2220 2132,2207 2132,2005 v1(2133,2004)
COM7: LCD1.8 U7.13 | length 1328.8
  Top Layer w10: U7.13@1766.74,1807.06 1847.06,1807.06 1855.58,1815.58 1855.58,1838.96 1906,1889.38 1906,1959 1913,1966 1933.58,1966 1995.14,2027.56 2096.78,2027.56 2105.22,2036 v1(2164,2036)
  Bottom Layer w10: LCD1.8@1621.65,2295.99 1621.65,2252.35 1637,2237 2145,2237 2164,2218 v1(2164,2036)
CSB_IRDA_EN: R25.2 U7.58 | length 1980.3
  Top Layer w10: U7.58@1272.06,1610.2 1311.95,1610.2 1324.75,1623 1357,1623 1374,1640 v1(1405,1640)
  Bottom Layer w10: v1(1405,1640) 1408.87,1643.87 1557.67,1643.87 1587.54,1614 1741.54,1614 1788.54,1567 2228,1567 2243,1552 2243,1256.58 2306.58,1193 2418,1193 2449,1162 2449,799 R25.2@2411,761
CSB_IRDA_RX: C19.1 J9.3 Q7.3 R23.1 R31.2 U7.50 | length 3476.3
  Top Layer w10: U7.50@1272.06,1767.68 1387.65,1767.68 1417.34,1738 v1@1425.22,1738 ; v1(2647,1089) 2650,1086 v1(3123,1086)
  Bottom Layer w10: v1(1432.16,1744.39) 1464.61,1744.39 1488,1721 1552.66,1721 1608.66,1665 1762.67,1665 1809.67,1618 2272.92,1618 2294,1596.92 2294,1277.7 2327.7,1244 2624,1244 2647,1221 v1(2647,1089) ; v1(3123,1086) 3193,1086 3213,1106 3249.34,1106 3263,1092.34 R31.2@3263,939 ; Q7.3@3250,1106.66 3250,1458.37 3268,1476.37 3575.37,1476.37 3607,1508 3652,1508 J9.3@3653,1509
CSB_IRDA_TX: J9.2 R3.1 R16.1 U7.51 | length 4338.8
  Top Layer w10: U7.51@1272.06,1748 1383.3,1748 1427.3,1704 v1(1454,1704) ; v1(2682,904.5) 2710.5,904.5 2726,920 2726,996 2727,997 2727,1031 2748,1052 3193,1052 3248,1107 3248,1410.14 3333.18,1495.32 3531.32,1495.32 3602,1566 3696,1566 J9.2@3753,1509 J9.2@3753,1503
  Bottom Layer w10: v1(1454,1704) 1545.62,1704 1601.62,1648 1755.63,1648 1802.63,1601 2265.88,1601 2277,1589.88 2277,1270.66 2320.66,1227 2572,1227 2596,1203 2596,935 2626.5,904.5 v1(2682,904.5) 2682,824 2639,781 2540,781 2516,757 2516,674 R16.1@2474,632 2439,632 2425,618 2425,523 2438,510 R3.1@2472,510
DW_CHEAK: C27.1 DW1.1 J2.3 U7.52 | length 1508.2
  Top Layer w10: DW1.1@975,1182 1144,1182 v1(1148,1186) ; J2.3@1073,815.94 v1(1146,815.94) ; U7.52@1272.06,1728.31 1378.94,1728.31 1437,1670.25 1437,1626.75 1410.54,1600.28 v1(1410.54,1575.46) v1@1413.54,1575.46
  Bottom Layer w10: v1(1146,815.94) 1148,817.94 v1(1148,1186) 1172,1210 1289,1210 1303,1224 1303,1343 1322,1362 1364.04,1362 1379.58,1377.54 1380.46,1377.54 1410.54,1407.62 v1(1410.54,1575.46)
EARTH: C66.1 pad.0@145.67,433.07
ESAM_CLK: U7.40 U9.6 | length 707.6
  Top Layer w10: U9.6@852,1779 917,1779 v1(918,1780) ; v1(1308.68,2017.68) U7.40@1345.89,2017.68
  Bottom Layer w10: v1(918,1780) 1091,1780 1113,1802 1113,1998 1132.68,2017.68 v1(1308.68,2017.68)
ESAM_POW: R20.1 U7.45 | length 901.9
  Top Layer w10: v1(587,1824) 591,1828 R20.1@637,1828 ; v1(1195,1860) 1215.89,1860 1222,1866.11 U7.45@1273.06,1866.11
  Bottom Layer w10: v1(587,1824) 587,1767 606,1748 1169,1748 1195,1774 v1(1195,1860)
ESAM_RST: U7.47 U9.7 | length 525.4
  Top Layer w10: U9.7@852,1729 938,1729 974,1765 974,1834 995,1855 1154.25,1855 1182.51,1826.74 U7.47@1273.06,1826.74
ESAM_SDA: R22.2 U7.41 U9.3 | length 366.6
  Top Layer w10: U9.3@1072,1779 R22.2@1158,1779 ; v1(1152,1812) 1152,1785 R22.2@1162,1775 ; v1(1217,1946) 1218.15,1944.85 U7.41@1272.06,1944.85 ; U7.41@1272.56,1945.35 U7.41@1273.06,1944.85
  Bottom Layer w10: v1(1152,1812) 1152,1919 1179,1946 v1(1217,1946)
FLASH_CLK: U1.6 U7.37 | length 716.5
  Top Layer w10: U1.6@840,2032 942,2032 952,2042 952,2088 962,2098 994.04,2098 1021.04,2125 1368.66,2125 1404.94,2088.72 U7.37@1404.94,2017.68
FLASH_CS: U1.1 U7.44 | length 154.3
  Top Layer w10: U1.1@1147.09,1932 1185.75,1932 1195,1922.75 1195,1907 1216.2,1885.8 U7.44@1273.06,1885.8
FLASH_CTL: R12.1 U7.46 | length 1072.7
  Top Layer w10: R12.1@706,2209 737,2240 843,2240 860,2223 860,2170 874,2156 v1(976,2156) ; U7.46@1273.06,1846.43 v1(1327.57,1846.43)
  Bottom Layer w10: v1(976,2156) 1014.96,2156 1043.96,2127 1332,2127 1355,2104 1355,1873.85 v1(1327.57,1846.43)
FLASH_MISO: U1.2 U7.38 | length 383.9
  Top Layer w10: U1.2@1147.09,1982 1150.09,1985 1207,1985 1224,2002 1224,2066 1246,2088 1375,2088 1385.26,2077.74 U7.38@1385.26,2017.68
FLASH_MOSI: U1.5 U7.39 | length 593.5
  Top Layer w10: U1.5@840,2082 907,2082 v1(908,2083) ; v1(1262,2052) 1292,2052 1311,2071 1355.24,2071 1364.57,2061.67 U7.39@1364.57,2017.68
  Bottom Layer w10: v1(908,2083) 939.75,2083 970.75,2052 v1(1262,2052)
GND: C1.2 C2.2 C3.2 C4.2 C5.2 C6.2 C7.1 C8.2 C9.2 C10.2 C11.2 C13.1 C14.2 C15.2 C16.2 C17.2 C18.2 C19.2 C20.2 C21.2 C22.2 C23.2 C24.2 C25.1 C26.2 C27.2 C28.1 C29.1 C30.2 C31.2 C32.2 C33.2 C34.1 C35.2 C36.2 C38.2 C39.1 C40.1 C41.2 C42.2 C43.2 C44.1 C45.2 C46.1 C47.1 C48.1 C49.1 C50.2 C51.2 C52.2 C53.2 C56.2 C57.2 C58.2 C59.2 C61.1 C62.2 C63.2 C64.2 C65.1 C66.2 FB2.1 J1.1 J1.5 J1.6 J2.4 J2.5 J2.6 J3.1 J3.6 J3.7 J4.2 J4.3 J4.4 J7.2 J7.3 J7.4 J8.4 J9.1 P2.3 P2.4 P5.3 P5.4 P6.1 Q2.2 Q3.2 Q7.2 Q9.3 Q11.2 Q12.2 Q14.2 Q17.3 Q20.2 Q22.3 R5.1 R13.2 R28.1 R35.2 R43.1 R46.1 R96.2 S1.2 S2.2 S3.2 SIM1.1 TVS2.2 U1.4 U2.1 U3.1 U4.3 U5.1 U5.15 U6.1 U7.63 U7.65 U8.4 U8.9 U9.1 U10.22 U10.23 U10.25 U10.26 U10.28 U10.29 U10.30 U11.2 U20.2 W1.2 | length 2450.9
  Top Layer w10: v1(1297,1498) 1297,1527 1313.46,1543.46 1390.46,1543.46 ; U7.63@1384.26,1498 1384.26,1537.26 1390.46,1543.46 ; U7.65@1423.63,1498 1423.63,1536.37 1416.54,1543.46 1390.46,1543.46 ; U8.9@1616,1170 1650,1170 ; U8.4@1645.53,1132.59 U8.9@1645.53,1165.53 ; C52.2@2694.01,1378.77 2750.52,1378.77 C56.2@2752.01,1380.26 2772,1400.25 v1(2772,1416)
  Top Layer w20: C5.2@609,1608 668.49,1608 C18.2@670,1609.51 ; v1(667,2002) 697,2002 C36.2@698,2003 ; U9.1@1061,1679 1061,1641 1079,1623 v1(1082,1623) ; J3.1@1139.53,295.66 1139.53,198.53 1149.06,189 v1(1154,189) ; J1.1@1282.88,457.3 1283,457.42 v1(1283,548) ; C35.2@1436.49,1130 1436.49,1185.49 C48.1@1454,1203 1460.98,1203 1522.49,1264.51 C13.1@1522.49,1373 ; C16.2@1521,634.49 1566.49,634.49 1578,646 ; U20.2@1608.11,476 v1(1660,476) ; U8.9@1616,1170 1618,1172 1670,1172 1680,1162 v1(1680,1113) ; v1(1633,139) C49.1@1633,173 ; v1(1671,432) 1683.51,432 C45.2@1706,454.49 ; C42.2@2185,1909 2303,1909 C51.2@2304,1908 ; C20.2@2220.61,2000.26 2220.61,1957.39 2243,1935 C53.2@2243,1909.51 ; Q20.2@2304.76,1133.6 2312,1126.35 C21.2@2312,1076.51 ; v1(2366,993) 2366.06,992.94 U6.1@2366.06,952.17 ; C25.1@2389.04,1314.75 2389.04,1373.73 C26.2@2387.03,1375.75 2411,1399.72 v1(2411,1415) ; v1(2530,1066) 2519,1055 SIM1.1@2519,1007 2519,957 v1(2531,945)
  Bottom Layer w20: Q3.2@585.4,1138.24 585.4,1093.6 603,1076 ; 988,1294 v1(1001,1281) C46.1@1001,1233 ; C30.2@1342.12,424 ccw(c1343.21,424) 1343.21,422.91 C31.2@1402.4,422.91 ; 3078,1060 3078,1112.28 R5.1@3094.87,1129.14 3097.72,1132 3148.73,1132 C11.2@3154.73,1126 ; v1(3107,1008) 3151,1052 C19.2@3192,1052 ; C62.2@3366.6,1637.4 3432.4,1637.4 3435,1640
  other v1: 871,39 963,39 1056,39 1150,39 1247,42 733,43 1338,48 1443,51 642,58 1380,86 1494,86 1270,93 713,95 1150,132 767,139 1237,144 683,177 2573,179 2091,181 2495,187 2369,189 2240,193 1515,206 2672,216 2294,234 2174,239 2536,242 2392,243 673,256 1518,264 1878,271 649,299 2624,314 2456,315 2009,316 3654,318 577,339 2568,360 509,367 2409,368 2647,375 2878,419 3586,421 3035,422 707,436 3552,436 3457,442 1946,456 2385,456 632,461 1341,461 2917,513 3041,519 698,549 3460,558 2294,571 2022,572 1930,573 3897,580 2984,601 3146,603 3303,604 2853,608 2091,631 2144,631 2206,642 1989,655 3752,663 3882,668 1134,681 1083,694 2918,707 1921,720 3309,723 1005,782 2917,783 550,787 318,802 3318,821 2888,877 3328,891 2058,897 1986,912 3100,917 2776,919 3322,963 3079,974 1060,981 1101,1014 2087,1017 1060,1051 3323,1052 1871,1059 2019,1061 2364,1091 961,1110 2532,1114 3315,1129 55,1170 1369,1223 1214,1245 1879,1259 3182,1261 1249,1271 42,1274 3316,1274 3205,1298 2875,1308 872,1324 3291,1346 3104,1355 956,1372 52,1378 448,1380 343,1387 3196,1392 579,1396 3094,1409 3315,1411 1280,1413 905,1414 1327,1414 1228,1417 1165,1426 706,1429 528,1440 1123,1441 646,1442 952,1443 1009,1443 1066,1443 400,1445 3788,1446 3609,1451 3700,1452 876,1456 312,1463 49,1470 943,1486 939,1527 898,1529 1982,1531 1264,1532 2089,1532 2043,1534 3454,1537 2847,1544 2671,1554 3019,1557 3163,1560 934,1570 886,1599 944,1601 1153,1607 1204,1608 995,1610 448,1612 526,1615 3879,1616 3733,1617 3795,1623 602,1664 50,1719 3881,1727 2992,1730 3778,1731 3160,1734 2639,1737 2497,1740 2803,1743 442,1761 3091,1769 343,1775 82,1784 2928,1786 3354,1786 3402,1789 3748,1790 3168,1793 3549,1793 3490,1799 3627,1801 3714,1801 771,1810 2726,1819 3664,1820 3315,1822 3376,1822 3431,1823 3602,1825 98,1829 3524,1829 2070,1830 3467,1831 3560,1833 3637,1834 2827,1839 271,1843 3163,1846 169,1851 524,1851 1426,1852 457,1853 3733,1853 3674,1860 2996,1862 63,1867 2653,1877 856,1881 2774,1897 3746,1898 1061,1901 3394,1907 3502,1907 3544,1907 3698,1907 3452,1909 3586,1910 1570,1915 3322,1915 3171,1921 953,1923 3411,1932 63,1934 3356,1936 3467,1940 291,1951 3747,1951 3513,1952 2152,1955 3063,1959 3704,1960 2736,1969 1033,1973 3166,1974 2885,1975 3336,1983 2652,1984 3420,1985 3537,1985 3584,1993 3739,2000 368,2001 1794,2001 3474,2011 3709,2013 2970,2015 3170,2019 3588,2026 3330,2034 45,2039 3411,2040 3760,2041 240,2049 3534,2050 3470,2051 3724,2053 3589,2068 3702,2084 3519,2085 3866,2085 1067,2088 3418,2089 3569,2089 455,2091 3808,2097 344,2098 3737,2098 3375,2110 3458,2115 3224,2116 3701,2123 3515,2126 3282,2134 3772,2134 3733,2141 3847,2154 3443,2168 3361,2177 383,2180 3512,2180 3715,2182 3259,2185 3605,2188 3564,2189 3744,2198 3151,2201 3774,2213 3202,2226 3367,2226 3515,2226 3700,2226 3461,2229 3315,2236 3576,2238 269,2240 335,2256 963,2260 3300,2265 3503,2266 763,2284 461,2292 3295,2310 955,2311 3201,2311 543,2313 857,2313 3511,2319 746,2326
GPRS-RXD: Q18.3 R73.1 U10.10 | length 190
  Top Layer w10: Q18.3@2366.41,1557.85 2400.15,1557.85 2417,1541 2545.43,1541 U10.10@2548.24,1538.19
GPRS-TXD: Q19.2 U10.9 | length 162.3
  Top Layer w10: Q19.2@2403,1610 2432,1581 2535.93,1581 U10.9@2548.24,1593.31
GPRS_3.6V: C3.1 C20.1 C42.1 C51.1 C53.1 Q15.3 U10.31 U10.32 | length 114
  Top Layer w40: 2336,1843 2355.09,1862.09 ; 3092,2144 3095.48,2140.52 U10.32@3095.48,2101.18 ; 3146,2142 3150.6,2137.4 U10.31@3150.6,2101.18
  other v1: 2161,1166 2172,1195 2152,1835 2130,1853
GPRS_POWER: R40.1 U7.76 | length 405
  Top Layer w10: U7.76@1640.17,1498 1640.17,1398.88 1688.04,1351 1888,1351 R40.1@1915,1378
GPRS_RST: R11.1 U7.77 | length 1316.9
  Top Layer w10: U7.77@1659.85,1498 1659.85,1403.23 1680.08,1383 v1(1868,1383) ; v1(2210,1421) 2212.75,1418.25 v1(2362.07,1418.25)
  Bottom Layer w10: v1(1868,1383) 1899,1383 1937,1421 v1(2210,1421) ; v1(2362.07,1418.25) 2362.07,1324.18 2376,1310.25 2376,1310 2408,1278 2690,1278 2703,1265 R11.1@2703,1230